# KiCad board CCC_ESC.kicad_pcb (continued)
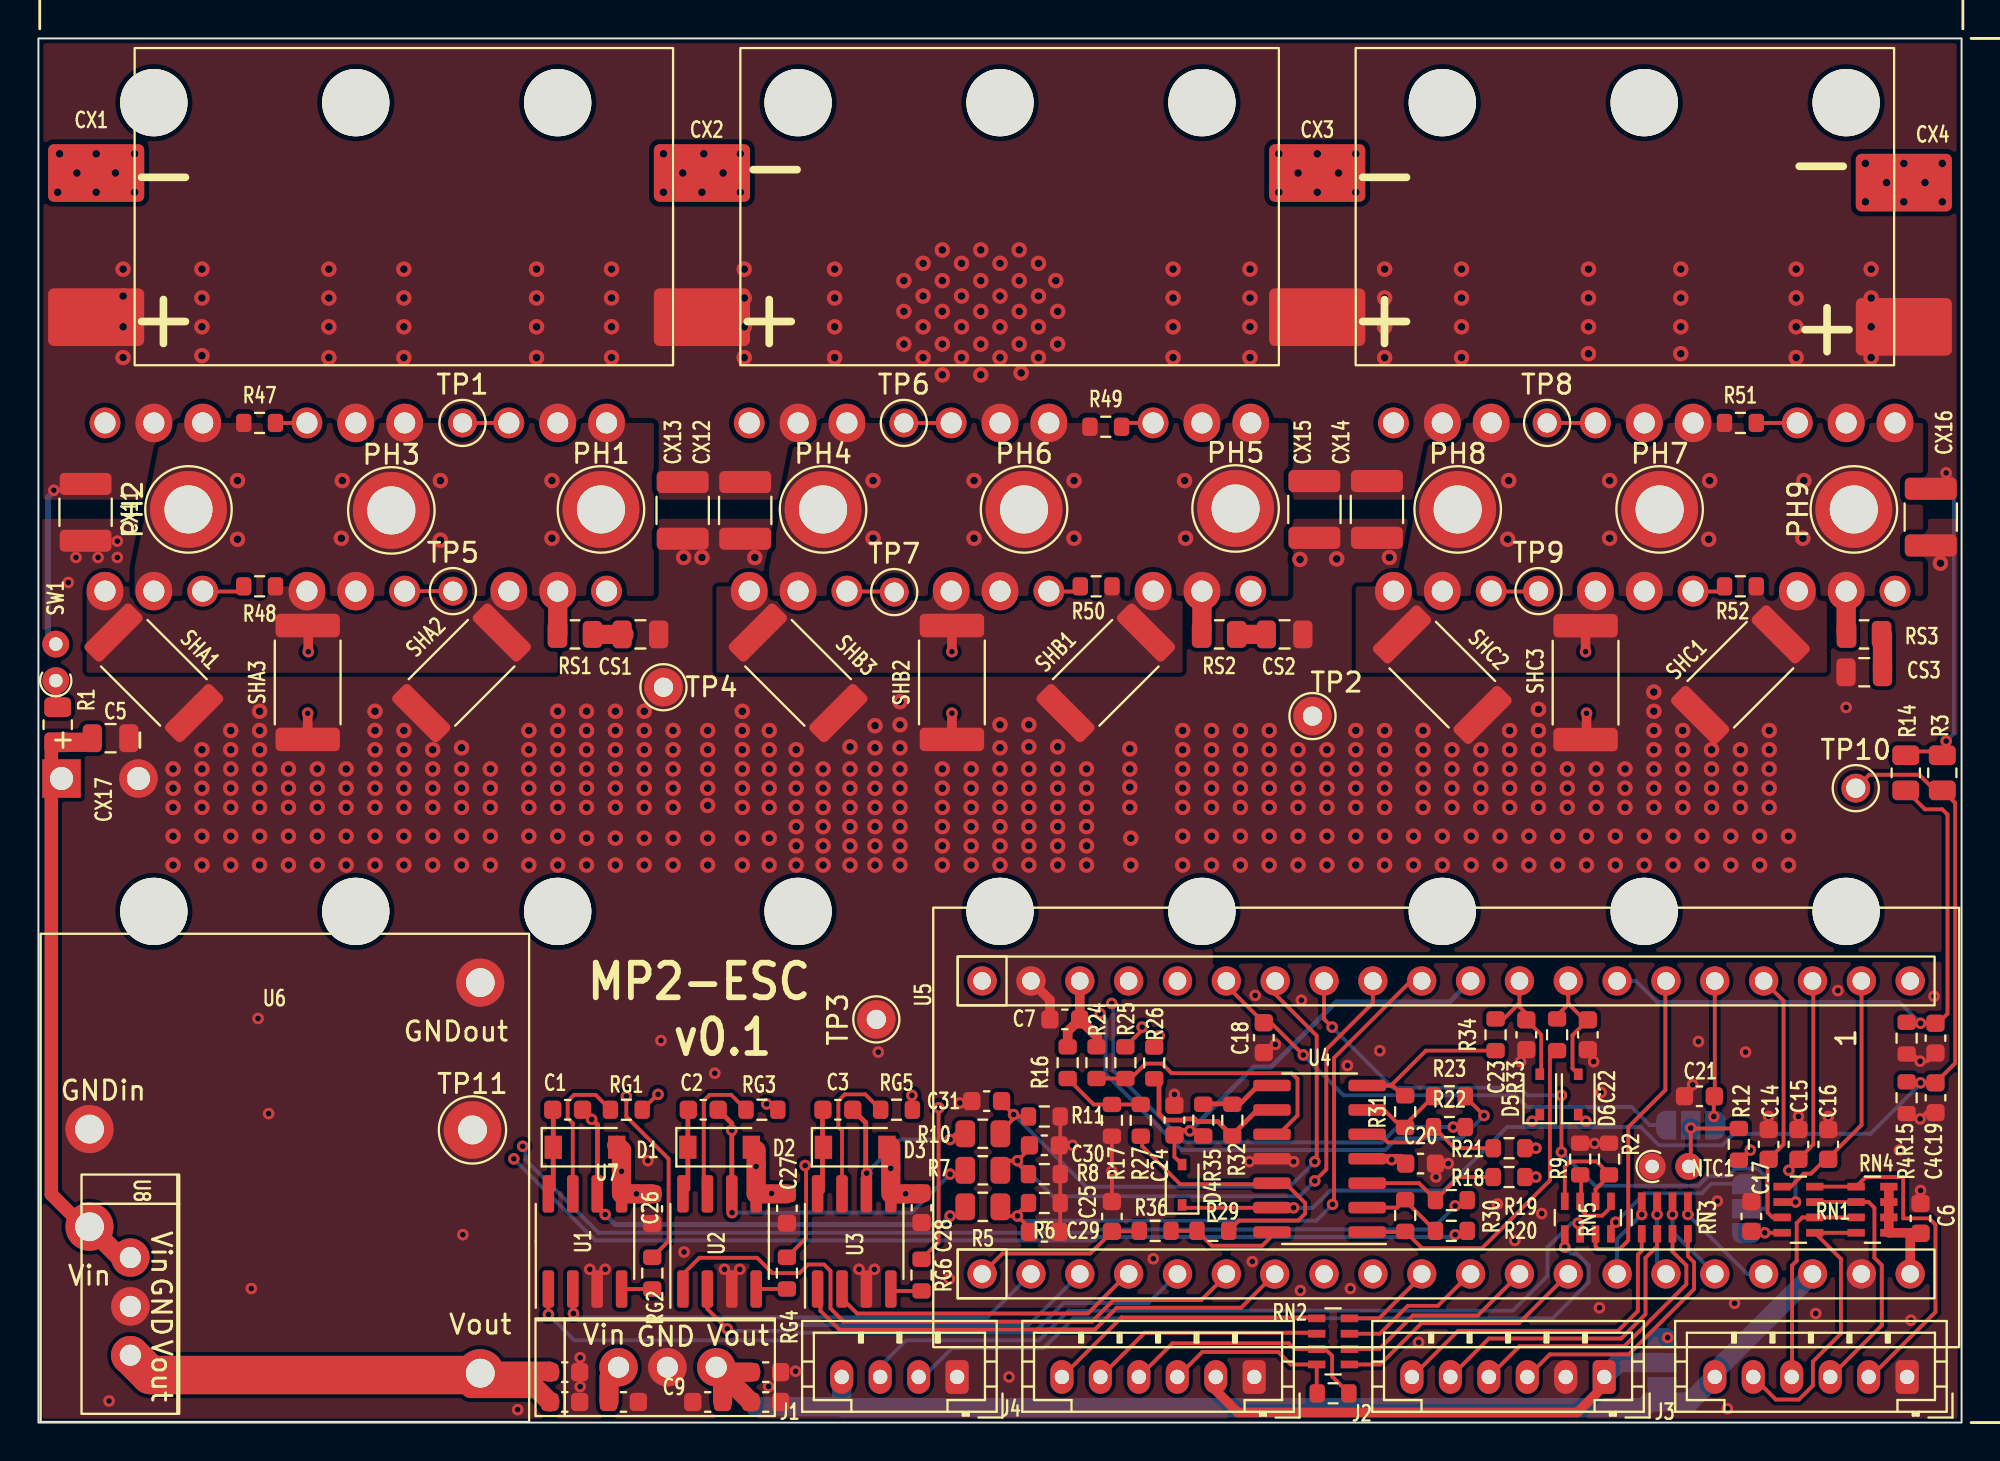
[diagram p0: board, top side]
## Nets
GND: C4.2 C5.2 C6.2 C7.2 C8.2 C9.2 C10.2 C11.2 C12.2 C13.2 C14.2 C15.2 C16.2 C17.2 C18.2 C19.2 C20.2 C21.2 C22.2 C23.2 C24.2 C25.2 C26.2 C27.2 C28.2 C29.2 C30.2 C31.2 CS1.1 CS2.1 CS3.1 CX1.2 CX2.2 CX3.2 CX4.2 CX11.2 CX12.2 CX13.2 CX14.2 CX15.2 CX16.2 CX17.2 J1.1 J2.2 J3.1 J4.1 NT2.1 NT4.1 NT6.1 NTC1.1 R2.2 R4.1 R6.1 R8.1 R9.1 R11.1 R15.1 R17.1 SHA1.1 SHA2.1 SHA3.1 SHB1.1 SHB2.1 SHB3.1 SHC1.1 SHC2.1 SHC3.1 TP2.1 TP3.1 TP4.1 TP11.1 U1.3 U2.3 U3.3 U4.11 U5.19 U5.39 U6.2 U6.3 U7.2 U8.2
V3V3: C6.1 C7.1 C20.1 JP1.3 R12.2 R16.2 R18.2 R21.2 R24.2 RN4.1 RN4.2 RN4.3 RN4.4 U4.4 U5.18 U5.40
V5V: C8.1 C9.1 C10.1 J1.4 J3.6 JP1.1 U5.38 U7.3
V12V: C11.1 C12.1 C13.1 C26.1 C27.1 C28.1 D1.2 D2.2 D3.2 U1.5 U2.5 U3.5 U6.4 U7.1 U8.3
VBAT: CX1.1 CX2.1 CX3.1 CX4.1 CX11.1 CX12.1 CX13.1 CX14.1 CX15.1 CX16.1 QA1.2 QA3.2 QA5.2 QB1.2 QB3.2 QB5.2 QC1.2 QC3.2 QC5.2 R3.2 R14.2 SW1.2
/AL_GATESIG: QA2.1 QA4.1 QA6.1 R48.2 RG2.1 TP5.1
/AU_GATESIG: QA1.1 QA3.1 QA5.1 R47.2 RG1.1 TP1.1
/BL_GATESIG: QB2.1 QB4.1 QB6.1 R50.2 RG4.1 TP7.1
/BU_GATESIG: QB1.1 QB3.1 QB5.1 R49.2 RG3.1 TP6.1
/CL_GATESIG: QC2.1 QC4.1 QC6.1 R52.2 RG6.1 TP9.1
/CU_GATESIG: QC1.1 QC3.1 QC5.1 R51.2 RG5.1 TP8.1
A_BRAKE: JP2.3 RN5.4
A_OVERLIMIT: C25.1 R36.2 U5.21
A_PHA_VSENSE: C29.1 R5.1 R6.2 U5.11
A_PHB_VSENSE: C30.1 R7.1 R8.2 U5.12
A_PHC_VSENSE: C31.1 R10.1 R11.2 U5.14
A_SHA_AMP: C22.1 D6.2 R33.2 U5.8
A_SHA_V+: NT1.2 R19.2
A_SHA_V-: NT2.2 R20.2
A_SHB_AMP: C23.1 D5.2 R34.2 U5.9
A_SHB_V+: NT3.2 R22.2
A_SHB_V-: NT4.2 R23.2
A_SHC_AMP: C24.1 D4.2 R35.2 U5.10
A_SHC_V+: NT5.2 R25.2
A_SHC_V-: NT6.2 R26.2
A_THROTTLE: RN5.3 U5.6
FET_TEMP: JP3.2 NTC1.2 R12.1
HALL_A: C16.1 RN1.1 U5.2
HALL_B: C15.1 RN1.2 U5.3
HALL_C: C14.1 RN1.3 U5.4
HIN_A: U1.1 U5.25
HIN_B: U2.1 U5.26
HIN_C: U3.1 U5.27
LIN_A: U1.2 U5.22
LIN_B: U2.2 U5.23
LIN_C: U3.2 U5.24
MOTOR_TEMP: C17.1 JP2.1 RN1.4
PA15 TIM2 CH1: J4.6 RN2.5
PB2 D_GPIO: U5.16
PB3 SCK TIM2CH2: J4.5 RN2.6
PB4 MISO TIM3 CH1: J4.4 R13.1 RN2.7
PB5 MOSI TIM3 CH2: J4.3 R13.2 RN2.8
PB6 D_UART1_TX I2C1_SCL TIM4_CH1: J2.6 RN3.5
PB7 D_UART1_RX I2C1_SDA TIM4_CH2: J2.5 RN3.6
PB8 DI2C1_SCL TIM4_CH3: J2.4 RN3.7
PB9 DI2C1_SDA TIM4_CH4: J2.3 RN3.8
PB10 D_GPIO: U5.17
PHASE_A: C1.2 PH1.1 PH2.1 PH3.1 QA1.3 QA2.2 QA3.3 QA4.2 QA5.3 QA6.2 R5.2 R47.1 RS1.2 U1.6
PHASE_B: C2.2 PH4.1 PH5.1 PH6.1 QB1.3 QB2.2 QB3.3 QB4.2 QB5.3 QB6.2 R7.2 R49.1 RS2.2 U2.6
PHASE_C: C3.2 PH7.1 PH8.1 PH9.1 QC1.3 QC2.2 QC3.3 QC4.2 QC5.3 QC6.2 R10.2 R51.1 RS3.2 U3.6
Vaux: J2.1 J4.2 JP1.2
VSENSE: C19.1 R14.1 R15.2 U5.7
VSENSE2: C4.1 D4.1 D5.1 D6.1 R3.1 R4.2 TP10.1 U4.13
Net-(C1-Pad1): C1.1 D1.1 U1.8
Net-(C2-Pad1): C2.1 D2.1 U2.8
Net-(C3-Pad1): C3.1 D3.1 U3.8
Net-(C5-Pad1): C5.1 CX17.1 R1.1 U6.1 U8.1
Net-(C18-Pad1): C18.1 JP3.3 U5.15
Net-(C21-Pad1): C21.1 JP3.1 U5.5
Net-(CS1-Pad2): CS1.2 RS1.1
Net-(CS2-Pad2): CS2.2 RS2.1
Net-(CS3-Pad2): CS3.2 RS3.1
Net-(J1-Pad2): J1.2 RN5.1
Net-(J1-Pad3): J1.3 RN5.2
Net-(J3-Pad2): J3.2 RN1.8 RN4.5
Net-(J3-Pad3): J3.3 RN1.7 RN4.6
Net-(J3-Pad4): J3.4 RN1.6 RN4.7
Net-(J3-Pad5): J3.5 RN1.5 RN4.8
Net-(JP2-Pad2): JP2.2 U5.13
Net-(NT1-Pad1): NT1.1 QA2.3 QA4.3 QA6.3 R48.1 SHA1.2 SHA2.2 SHA3.2
Net-(NT3-Pad1): NT3.1 QB2.3 QB4.3 QB6.3 R50.1 SHB1.2 SHB2.2 SHB3.2
Net-(NT5-Pad1): NT5.1 QC2.3 QC4.3 QC6.3 R52.1 SHC1.2 SHC2.2 SHC3.2
Net-(R1-Pad2): R1.2 SW1.1
Net-(R2-Pad1): R2.1 RN5.6 RN5.8
Net-(R9-Pad2): R9.2 RN5.5 RN5.7
Net-(R16-Pad1): R16.1 R17.2 R27.2
Net-(R18-Pad1): R18.1 R19.1 U4.3
Net-(R20-Pad1): R20.1 R30.1 U4.2
Net-(R21-Pad1): R21.1 R22.1 U4.5
Net-(R23-Pad1): R23.1 R31.1 U4.6
Net-(R24-Pad1): R24.1 R25.1 U4.10
Net-(R26-Pad1): R26.1 R32.1 U4.9
Net-(R27-Pad1): R27.1 R29.1 U4.12
Net-(R29-Pad2): R29.2 R36.1 U4.14
Net-(R30-Pad2): R30.2 R33.1 U4.1
Net-(R31-Pad2): R31.2 R34.1 U4.7
Net-(R32-Pad2): R32.2 R35.1 U4.8
Net-(RG1-Pad2): RG1.2 U1.7
Net-(RG2-Pad2): RG2.2 U1.4
Net-(RG3-Pad2): RG3.2 U2.7
Net-(RG4-Pad2): RG4.2 U2.4
Net-(RG5-Pad2): RG5.2 U3.7
Net-(RG6-Pad2): RG6.2 U3.4
Net-(RN2-Pad1): RN2.1 U5.33
Net-(RN2-Pad2): RN2.2 U5.32
Net-(RN2-Pad3): RN2.3 U5.31
Net-(RN2-Pad4): RN2.4 U5.30
Net-(RN3-Pad1): RN3.1 U5.37
Net-(RN3-Pad2): RN3.2 U5.36
Net-(RN3-Pad3): RN3.3 U5.35
Net-(RN3-Pad4): RN3.4 U5.34

Pads without a net: U5 1 20 28 29

## Via types
v1: diameter 0.6, hole 0.3, Top to Bottom, 147 vias
v2: diameter 0.8, hole 0.4, Top to Bottom, 529 vias

## Routing (per net, layer and track width the routed paths; a pad name or vN(x,y) marks a point on that pad's centre or on a via; arc(x,y) is an arc through that point)
GND: length 21.8
  Top w0.2: v1(62.97,13.57) 64.47,13.57 ; 53.28,13.07 R8.1 ; C4.2 98.17,16.12 v1(97.84,15.8) 97.42,15.8 R4.1 ; C19.2 98.22,18.8 v1(97.84,18.8) 97.47,19.17 R15.1 ; v1(29.47,7.97) 29.05,7.56 U1.3 ; 43.2,7 43.2,7.71 v1(43.47,7.97) ; v1(36.47,7.97) 36.05,7.56 U2.3 ; v1(86.02,17.57) 86.02,17.4 C21.2 ; R17.1 v1(55.82,13.07) C25.2 ; v1(59.07,17.07) 59.07,16.75 ; C29.2 53.18,10.02 ; R11.1 53.13,9.97
  Top w0.5: U5.19 52.59,21.99 C7.2
  vias: v1(1.55,43.7) v1(1.95,45) v1(3.1,45) v1(3.67,1.12) v1(4.1,45.85) v1(4.1,45) v1(11.07,6.97) v1(11.42,21.02) v1(11.97,16.07) v1(22.07,9.77) v1(24.92,0.67) v1(28.17,3.37) v1(28.17,1.87) v1(28.67,7.97) v1(31.69,13.62) v1(32.37,19.87) v1(33.57,8.87) v1(35.17,18.17) v1(35.67,7.97) v1(37.97,1.87) v1(39.37,2.67) v1(42.67,7.97) v1(43.67,19.27) v1(47.37,7.47) v1(47.91,16.62) v1(50.47,2.37) v1(53.77,14.42) v1(57.97,8.52) v1(63.12,8.37) v1(63.27,22.22) v1(64.32,19.67) v1(65.27,13.57) v1(65.62,6.87) v1(65.67,21.97) v1(68.07,18.57) v1(68.22,6.97) v1(69.75,19.34) v1(71.77,4.17) v1(72.67,12.77) v1(73.3,13.47) v1(75.87,11.37) v1(76.77,9.47) v1(77.07,18.77) v1(78.17,10.87) v1(80.87,18.77) v1(80.92,14.52) v1(81.17,5.97) v1(81.26,17.17) v1(86.32,19.82) v1(87.3,11.52) v1(87.82,0.72) v1(88.2,6.2) v1(88.77,19.27) v1(89.97,15.92) v1(91.52,15.92) v1(92.42,5.67) v1(93.07,15.92) v1(93.57,22.47) v1(94,37.2) v1(96.77,14.17) v1(97.37,5.32) v1(97.87,12.07) v1(98.57,22.17) v2(1,64) v2(1.1,66) v2(2,65) v2(3,66) v2(3,64) v2(4,65) v2(5,66) v2(5,64) v2(7,34) v2(7,33) v2(7,32) v2(7,30.5) v2(7,29) v2(8.5,35) v2(8.5,34) v2(8.5,33) v2(8.5,32) v2(8.5,30.5) v2(8.5,29) v2(10,36) v2(10,35) v2(10,34) v2(10,33) v2(10,32) v2(10,30.5) v2(10,29) v2(11.5,37) v2(11.5,36) v2(11.5,35) v2(11.5,34) v2(11.5,33) v2(11.5,32) v2(11.5,30.5) v2(11.5,29) v2(13,34) v2(13,33) v2(13,32) v2(13,30.5) v2(13,29) v2(14.5,34) v2(14.5,33) v2(14.5,32) v2(14.5,30.5) v2(14.5,29) v2(16,34) v2(16,33) v2(16,32) v2(16,30.5) v2(16,29) v2(17.5,37) v2(17.5,36) v2(17.5,35) v2(17.5,34) v2(17.5,33) v2(17.5,32) v2(17.5,30.5) v2(17.5,29) v2(19,36) v2(19,35) v2(19,34) v2(19,33) v2(19,32) v2(19,30.5) v2(19,29) v2(20.5,35) v2(20.5,34) v2(20.5,33) v2(20.5,32) v2(20.5,30.5) v2(20.5,29) v2(22,35.1) v2(22,34) v2(22,33) v2(22,32) v2(22,30.5) v2(22,29) v2(23.5,34) v2(23.5,33) v2(23.5,32) v2(23.5,30.5) v2(23.5,29) v2(25.5,36) v2(25.5,35) v2(25.5,34) v2(25.5,33) v2(25.5,32) v2(25.5,30.5) v2(25.5,29) v2(27,37) v2(27,36) v2(27,35) v2(27,34) v2(27,33) v2(27,32) v2(27,30.5) v2(27,29) v2(28.5,37) v2(28.5,36) v2(28.5,35) v2(28.5,34) v2(28.5,33) v2(28.5,32) v2(28.5,30.4) v2(28.5,29) v2(30,37) v2(30,36) v2(30,35) v2(30,34) v2(30,33) v2(30,32) v2(30,30.4) v2(30,29) v2(31.5,37) v2(31.5,36) v2(31.5,35) v2(31.5,34) v2(31.5,33) v2(31.5,32) v2(31.5,30.4) v2(31.5,29) v2(32.5,66) v2(32.5,64) v2(33,36) v2(33,35) v2(33,34) v2(33,33) v2(33,32) v2(33,30.4) v2(33,29) v2(33.5,65) v2(33.55,45) v2(34.5,64) v2(34.5,45) v2(34.6,66) v2(34.8,36) v2(34.8,35) v2(34.8,34) v2(34.8,33) v2(34.8,32.1) v2(34.8,30.4) v2(34.8,29) v2(35.6,65) v2(36.5,66) v2(36.5,64) v2(36.6,37) v2(36.6,36) v2(36.6,35) v2(36.6,34) v2(36.6,33) v2(36.6,32) v2(36.6,30.4) v2(36.6,29) v2(37.25,45) v2(38,36) v2(38,35) v2(38,34) v2(38,33) v2(38,32) v2(38,30.4) v2(38,29) v2(39.4,35) v2(39.4,34) v2(39.4,33) v2(39.4,32) v2(39.4,31) v2(39.4,30) v2(39.4,29) v2(40.8,34) v2(40.8,33) v2(40.8,32) v2(40.8,31) v2(40.8,30) v2(40.8,29) v2(42.2,35.15) v2(42.2,34) v2(42.2,33) v2(42.2,32) v2(42.2,31) v2(42.2,30) v2(42.2,29) v2(43.5,36.25) v2(43.5,35.1) v2(43.5,34) v2(43.5,33) v2(43.5,32) v2(43.5,31) v2(43.5,30) v2(43.5,29) v2(44.8,37.5) v2(44.8,36.3) v2(44.8,35.1) v2(44.8,34) v2(44.8,33) v2(44.8,32) v2(44.8,31) v2(44.8,30) v2(44.8,29) v2(47,34) v2(47,33) v2(47,32) v2(47,31) v2(47,30) v2(47,29) v2(48.5,34) v2(48.5,33) v2(48.5,32) v2(48.5,31) v2(48.5,30) v2(48.5,29) v2(50,36.3) v2(50,35.1) v2(50,34) v2(50,33) v2(50,32) v2(50,31) v2(50,30) v2(50,29) v2(51.5,36.3) v2(51.5,35.15) v2(51.5,34) v2(51.5,33) v2(51.5,32) v2(51.5,31) v2(51.5,30) v2(51.5,29) v2(53,35.15) v2(53,34) v2(53,33) v2(53,32) v2(53,31) v2(53,30) v2(53,29) v2(54.5,34) v2(54.5,33) v2(54.5,32) v2(54.5,31) v2(54.5,30) v2(54.5,29) v2(56.75,35.05) v2(56.75,34) v2(56.75,33.05) v2(56.75,32) v2(56.8,30.4) v2(56.8,29) v2(59.5,36) v2(59.5,35) v2(59.5,34) v2(59.5,33) v2(59.5,32) v2(59.5,30.5) v2(59.5,29) v2(61,36) v2(61,35) v2(61,34) v2(61,33) v2(61,32) v2(61,30.5) v2(61,29) v2(62.5,36) v2(62.5,35) v2(62.5,34) v2(62.5,33) v2(62.5,32) v2(62.5,30.5) v2(62.5,29) v2(64,36) v2(64,35) v2(64,34) v2(64,33) v2(64,32) v2(64,30.5) v2(64,29) v2(64.5,66) v2(64.5,64) v2(65.5,65) v2(65.5,35) v2(65.5,34) v2(65.5,33) v2(65.5,32) v2(65.5,30.5) v2(65.5,29) v2(65.6,44.9) v2(66.5,66) v2(66.5,64) v2(67,35) v2(67,34) v2(67,33) v2(67,32) v2(67,30.5) v2(67,29) v2(67.51,44.93) v2(67.6,65) v2(68.5,66) v2(68.5,64) v2(68.5,36) v2(68.5,35) v2(68.5,34) v2(68.5,33) v2(68.5,32) v2(68.5,30.5) v2(68.5,29) v2(70,36) v2(70,35) v2(70,34) v2(70,33) v2(70,32) v2(70,30.5) v2(70,29) v2(70.25,45) v2(71.5,30.5) v2(71.5,29) v2(72,36) v2(72,35) v2(72,34) v2(72,33) v2(72,32) v2(73,30.5) v2(73,29) v2(73.5,35) v2(73.5,34) v2(73.5,33) v2(73.5,32) v2(74.5,30.5) v2(74.5,29) v2(75,35) v2(75,34) v2(75,33) v2(75,32) v2(76,30.5) v2(76,29) v2(76.5,36) v2(76.5,35) v2(76.5,34) v2(76.5,33) v2(76.5,32) v2(77.5,30.5) v2(77.5,29) v2(78,37.1) v2(78,36) v2(78,35) v2(78,34) v2(78,33) v2(78,32) v2(79,30.5) v2(79,29) v2(79.5,34) v2(79.5,33) v2(79.5,32) v2(80.5,30.5) v2(80.5,29) v2(81,34) v2(81,33) v2(81,32) v2(82,30.5) v2(82,29) v2(82.5,34) v2(82.5,33) v2(82.5,32) v2(83.5,30.5) v2(83.5,29) v2(84,38) v2(84,37) v2(84,36) v2(84,35) v2(84,34) v2(84,33) v2(84,32) v2(85,30.5) v2(85,29) v2(85.5,36) v2(85.5,35) v2(85.5,34) v2(85.5,33) v2(85.5,32) v2(86.5,30.5) v2(86.5,29) v2(87,35) v2(87,34) v2(87,33) v2(87,32) v2(88,30.5) v2(88,29) v2(88.5,35) v2(88.5,34) v2(88.5,33) v2(88.5,32) v2(89.5,30.5) v2(89.5,29) v2(90,36) v2(90,35) v2(90,34) v2(90,33) v2(90,32) v2(91,30.5) v2(91,29) v2(95,65.5) v2(95,63.5) v2(96.1,64.5) v2(97,65.5) v2(97,63.5) v2(98.1,64.5) v2(98.9,44.7) v2(99,65.5) v2(99,63.5)
V3V3: length 14.3
  Top w0.2: 88.47,13.65 88.99,14.17 v1(89.02,14.17) ; 97.84,9.87 C6.1 ; 70.84,13.72 C20.1
  Top w0.5: R16.2 53.52,20.35 54.15,20.98 U5.18 ; 96.22,12.07 RN4.1 97.84,9.87 ; U4.4 70.84,13.72 ; 97.37,9.82 97.33,9.78 U5.40 ; 55.07,19.57 55.07,20.05 C7.1
  vias: v1(70.37,13.67) v1(77.87,14.27) v1(77.87,12.77) v1(84.72,4.42)
V5V: length 68.9
  Top w0.2: U7.3 35.58,2.55 ; U7.3 35.24,2.92 ; U7.3 35.26,2.88 35.27,2.87
  Top w1: C8.1 35.52,2.62 35.26,2.88 ; 35.58,2.55 35.58,1.1 ; C10.1 35.24,2.87 35.24,2.92
  Bottom w0.2: J3.6 87.17,2.65
  Bottom w1: 84.17,1.07 85.87,1.07 J3.6 ; 41.77,0.82 37.3,0.82 U7.3 ; 41.77,0.82 41.82,0.77 83.47,0.77 83.77,1.07 84.12,1.07 ; 41.77,0.82 J1.4 ; 87.17,2.65 U5.38
V12V: length 42.5
  Top w0.2: 22.93,2.52 U6.4 ; 45.87,11.9 C28.1 ; 22.89,2.19 22.89,2.35 ; 29.67,1.1 C12.1
  Top w0.25: 38.89,11.9 38.87,11.92 v1(38.12,11.92) ; 44.47,11.95 44.32,12.1 ; U1.5 30.32,11.9 30.32,11.92 ; U2.5 37.32,11.9 ; 37.32,14.17 37.07,14.42 ; 44.32,14.37 44.22,14.47
  Top w0.5: 30.12,2.82 29.67,2.37
  Top w1: U1.5 v1(31.09,11.9) C26.1 ; 22.47,1.77 25.89,1.77 C13.1 ; 37.32,14.17 v1(37.32,13.32) 37.32,11.9 ; 30.32,11.92 v1(30.32,13.07) 30.32,14.17 30.07,14.42 ; 22.89,2.35 23.21,2.67 26.54,2.67 C11.1 ; 44.32,12.1 v1(44.32,13.22) 44.32,14.37 ; U2.5 38.89,11.9 ; 45.87,11.9 v1(45.09,11.9) U3.5 ; 29.67,2.37 29.67,1.1
  Top w2: U8.3 5.81,2.47 22.88,2.47 22.93,2.52
VBAT: length 26.8
  Top w0.2: v1(0.8,48.5) 2.48,48.5 2.5,48.47 ; 97.1,34.91 99,34.91 99.2,35.11 v1(99.2,35.45)
  Bottom w0.2: v1(0.8,48.5) 0.8,48.45 ; v1(99.2,49.4) 99.6,49 99.6,35.85 v1(99.2,35.45)
  Bottom w0.3: 0.8,48.45 0.5,48.15 0.5,40.89 SW1.2
  vias: v2(4.4,60) v2(4.4,58.6) v2(4.4,57) v2(4.4,55.4) v2(8.5,60) v2(8.5,58.5) v2(8.5,57) v2(8.5,55.5) v2(15.1,60) v2(15.1,58.5) v2(15.1,57) v2(15.1,55.4) v2(19,60) v2(19,58.5) v2(19,57) v2(19,55.4) v2(25.9,60) v2(25.9,58.5) v2(25.9,57) v2(25.9,55.4) v2(29.8,60) v2(29.8,58.5) v2(29.8,57) v2(29.8,55.4) v2(36.7,60) v2(36.7,58.5) v2(36.7,57) v2(36.7,55.4) v2(41.4,60) v2(41.4,58.5) v2(41.4,57) v2(41.4,55.4) v2(45,59.4) v2(45,57.8) v2(45,56.1) v2(46,60.3) v2(46,58.6) v2(46,57) v2(46,55.4) v2(47,61) v2(47,59.4) v2(47,57.8) v2(47,56.1) v2(47,54.5) v2(48,60.3) v2(48,58.6) v2(48,57) v2(48,55.4) v2(49,61) v2(49,59.4) v2(49,57.8) v2(49,56.1) v2(49,54.5) v2(50,60.3) v2(50,58.6) v2(50,57) v2(50,55.4) v2(51,61) v2(51,59.4) v2(51,57.8) v2(51,56.1) v2(51.1,54.6) v2(52,60.3) v2(52,58.6) v2(52,57) v2(52,55.4) v2(52.9,59.4) v2(53,57.8) v2(53,56.1) v2(59,60) v2(59,58.5) v2(59,57) v2(59,55.4) v2(63,60) v2(63,58.5) v2(63,57) v2(63,55.4) v2(70,60) v2(70,58.5) v2(70,57) v2(70,55.4) v2(74,60) v2(74,58.5) v2(74,57) v2(74,55.4) v2(80.6,60) v2(80.6,58.5) v2(80.6,57) v2(80.6,55.6) v2(85.4,60) v2(85.4,58.5) v2(85.4,57) v2(85.4,55.6) v2(91.4,60) v2(91.4,58.5) v2(91.4,57) v2(91.4,55.4) v2(95.3,60) v2(95.3,58.5) v2(95.3,57) v2(95.3,55.4)
/AL_GATESIG: length 64.5
  Top w0.2: TP5.1 19.06,43.25 ; RG2.1 32.77,9.45 32.77,13.72 30.57,15.92 v1(30.57,16.97) ; 8.54,43.23 10.41,43.23 R48.2
  In2.Cu w0.2: v1(30.57,16.97) 30.8,17.2 30.8,41.97 29.54,43.23 28.19,41.88 20.39,41.88 19.04,43.23 17.69,41.88 9.89,41.88 8.54,43.23
/AU_GATESIG: length 72.7
  Top w0.2: RG1.1 32.19,17.07 v1(32.22,17.07) ; TP1.1 QA5.1 ; R47.2 14.46,52
  In2.Cu w0.2: v1(32.22,17.07) 32.22,17.07 32.22,17.66 34.1,19.54 34.1,36.8 34.5,37.2 34.5,43.05 32.85,44.7 32.85,48.4 31.25,50 26.46,50 QA5.1 22.56,50.1 15.86,50.1 QA3.1 12.06,50.1 5.36,50.1 QA1.1
/BL_GATESIG: length 64.5
  Top w0.2: R50.2 53.91,43.23 52.54,43.23 ; 42.04,43.23 44.47,43.23 TP7.1 ; RG4.1 39.91,9.59 39.91,13.33 v1(39.87,13.37)
  In2.Cu w0.2: 63.54,43.23 62.24,41.93 53.84,41.93 52.54,43.23 51.24,41.93 42.84,41.93 42.82,41.95 41.54,43.23 ; 42.11,43.23 41.5,42.62 41.5,27.61 41.67,27.44 41.67,16.62 39.87,14.82 v1(39.87,13.37)
/BU_GATESIG: length 66.5
  Top w0.2: 58.46,52 56.53,52 R49.2 ; TP6.1 QB3.1
  In2.Cu w0.2: v1(37.87,16.57) 37.87,16.85 35.5,19.22 35.5,37.8 35.1,38.2 35.1,44.37 35.4,44.67 35.4,50.94 36.46,52 QB5.1 38.86,50.1 45.56,50.1 QB3.1 49.41,50.05 56.01,50.05 QB1.1
/CL_GATESIG: length 90.7
  Top w0.2: 75.54,43.23 77.98,43.23 TP9.1 ; RG6.1 46.81,9.38 46.81,16.36 v1(46.82,16.37) ; 86.04,43.23 87.41,43.23 R52.2
  In2.Cu w0.2: 86.04,43.23 84.66,41.85 76.92,41.85 75.54,43.23 73.04,40.73 46.83,40.73 46.3,40.2 46.3,17.55 46.62,17.23 46.62,16.57 v1(46.82,16.37) ; 96.54,43.23 95.24,41.93 86.84,41.93 85.54,43.23
/CU_GATESIG: length 85.7
  Top w0.2: R51.2 QC5.1 ; TP8.1 QC3.1
  In2.Cu w0.2: v1(45.42,17.02) 45.5,17.1 45.5,40.56 46.47,41.53 65.13,41.53 68.25,44.65 68.25,50.8 69.45,52 69.46,52 69.46,51.99 70.45,51.99 QC1.1 70.59,52 72.49,50.1 79.06,50.1 QC3.1 82.86,50.1 89.56,50.1 QC5.1
A_BRAKE: length 8.3
  Top w0.2: v1(82.02,10.42) 81.77,10.17 RN5.4
  Bottom w0.2: v1(82.02,10.42) 83.52,11.92 86.48,11.92 86.98,12.42 88.82,12.42 JP2.3
A_OVERLIMIT: length 9.1
  Top w0.2: U5.21 50.13,8.79 54.69,8.79 55.84,9.95 ; R36.2 57.22,9.95 C25.1
A_PHA_VSENSE: length 33.8
  Top w0.2: v1(50.91,10.75) 51.53,10.12 C29.1 ; v1(50.91,10.75) 50.91,10.85 R6.2 ; v1(50.91,10.75) 50.49,10.75 50.02,11.22 ; v1(67.29,11.35) 67.37,11.42 67.37,18.97 71.37,22.97 U5.11
  Bottom w0.2: v1(50.91,10.75) 51.16,10.5 66.44,10.5 v1(67.29,11.35)
A_PHB_VSENSE: length 31.3
  Top w0.2: R8.2 50.91,13.5 v1(50.91,13.62) ; v1(50.91,13.62) 50.52,13.62 50.02,13.12 ; v1(50.91,13.62) 51.53,14.25 C30.1 ; v1(66.37,12.57) 66.97,13.17 66.97,19.41 69.39,21.83 U5.12
  Bottom w0.2: v1(50.91,13.62) 52.76,11.77 65.57,11.77 v1(66.37,12.57)
A_PHC_VSENSE: length 31
  Top w0.2: 50.08,16.65 v1(50.71,16.02) ; v1(50.71,16.02) 50.81,15.92 R11.2 ; v1(50.71,16.02) 50.71,15.81 50.02,15.12 ; v1(66.37,13.57) 66.47,13.67 66.47,20.12 64.31,22.28 U5.14
  Bottom w0.2: v1(50.71,16.02) 50.72,16.02 54.47,12.27 65.07,12.27 v1(66.37,13.57)
A_SHA_AMP: length 7
  Top w0.2: 79.55,21.75 78.97,21.17 R33.2 ; 79.55,21.75 79.59,21.75 80.39,20.95 C22.1 79.77,20.15 79.77,18.42 D6.2 ; 79.55,21.75 U5.8 ; 80.39,21.05 80.57,21.05
A_SHA_V+: length 84.6
  In2.Cu w0.2: v1(14.03,40.1) 15.43,38.7 20.62,38.7 24.8,34.52 24.8,24.43 25.18,24.05 v1(25.18,14.37)
  Bottom w0.2: v1(73.67,11.27) 72.44,10.05 54.93,10.05 54.76,9.87 29.12,9.87 25.32,13.67 25.32,14.24 v1(25.18,14.37)
A_SHA_V-: length 84.3
  In2.Cu w0.2: v1(24.72,13.72) 24.58,13.85 24.58,14.62 24.78,14.82 24.78,23.88 24.4,24.26 24.4,34.28 20.38,38.3 15.4,38.3 v1(14,36.9)
  Bottom w0.2: v1(73.67,9.77) 73.54,9.65 55.1,9.65 54.92,9.47 28.95,9.47 24.72,13.71 v1(24.72,13.72)
A_SHB_AMP: length 6.9
  Top w0.2: U5.9 77.01,21.63 77.37,21.27 C23.1 78.14,20.17 78.14,18.15 ; R34.2 76.19,21 77.01,21.81
A_SHB_V+: length 46.3
  In2.Cu w0.2: v1(55.81,21.8) 55.63,21.98 55.63,34.54 51.47,38.7 48.9,38.7 v1(47.5,40.1)
  Bottom w0.2: v1(55.81,21.8) 55.89,21.72 55.89,18.3 59.62,14.57 69.86,14.57 70.66,15.37 v1(73.57,15.37)
A_SHB_V-: length 49.8
  Top w0.2: R23.2 74.19,16.95 v1(75.17,15.97)
  In2.Cu w0.2: v1(55.21,21.27) 55.21,21.27 55.21,34.39 51.3,38.3 48.9,38.3 v1(47.5,36.9)
  Bottom w0.2: v1(75.17,15.97) 73.97,14.77 70.62,14.77 70.02,14.17 59.46,14.17 55.49,18.14 55.49,20.99 v1(55.21,21.27)
A_SHC_AMP: length 21.1
  Top w0.2: 59.07,15 59.07,13.82 D4.2
  Top w0.25: 59.07,15.2 59.84,15.2 v1(59.87,15.17) 60.54,15.17 60.57,15.15
  Bottom w0.25: U5.10 73.38,21.89 67.48,21.89 64.09,18.5 63.19,18.5 v1(59.87,15.17)
A_SHC_V+: length 41.3
  Top w0.2: v1(57.39,20.57) 57.39,20.42 R25.2
  In2.Cu w0.2: v1(57.39,20.57) 57.75,20.93 57.75,24.65 57.77,24.66 57.77,35.88 60.58,38.7 79.05,38.7 v1(80.45,40.1)
A_SHC_V-: length 40.3
  Top w0.2: v1(58.28,20.12) 58.28,19.78 58.02,19.52
  In2.Cu w0.2: v1(80.5,36.9) 79.1,38.3 60.75,38.3 58.17,35.72 58.17,20.23 v1(58.28,20.12)
A_THROTTLE: length 16.9
  Top w0.2: RN5.3 80.97,9.16 81.11,9.02 82.22,9.02 82.67,9.47 82.67,15.37 84.6,17.3 84.6,22.94 U5.6
FET_TEMP: length 4.6
  Top w0.2: 88.47,15.3 85.94,15.3 v1(85.92,15.32) 85.92,13.43 NTC1.2
HALL_A: length 12.9
  Top w0.2: 93.02,13.7 94.8,15.48 94.8,22.96 U5.2 ; RN1.1 91.12,12.27 91.8,12.95 92.17,12.95 92.92,13.7
HALL_B: length 11.4
  Top w0.2: U5.3 92.29,22.93 92.29,14.47 C15.1
  Bottom w0.2: v1(91.02,13.12) 91.37,12.77 v1(91.37,11.47)
HALL_C: length 13.7
  Top w0.2: U5.4 90.74,21.94 90.74,14.47 C14.1 ; RN1.3 90.17,10.67 89.92,10.92 89.92,13.6 90.02,13.7
HIN_A: length 35.7
  Top w0.2: 26.51,5.93 U1.1
  Bottom w0.2: U5.25 57.72,6.22 53.32,6.22 51.77,4.67 39.43,4.67 39.03,4.27 27.87,4.27 v1(26.52,5.62)
HIN_B: length 33.3
  Top w0.2: U2.1 33.51,7.72 34.37,8.57 37.37,8.57 38.17,7.77 39.57,7.77 40.02,8.22 40.85,8.22 41.18,7.89 41.18,5.94 41.87,5.25 54.78,5.25 55.9,6.37 60.47,6.37 61.77,7.67 U5.26
HIN_C: length 26.4
  Top w0.2: 40.66,7 40.66,5.81 41.63,4.85 54.94,4.85 56.07,5.97 62.54,5.97 U5.27
LIN_A: length 25.9
  Top w0.2: 27.78,5.86 U1.2
  Bottom w0.2: U5.22 49.35,5.47 28.02,5.47 v1(27.82,5.67)
LIN_B: length 22.1
  Top w0.2: v1(35.82,4.87) 34.78,5.91 U2.2
  Bottom w0.2: v1(35.82,4.87) 35.92,4.77 38.97,4.77 39.27,5.07 51.49,5.07 U5.23
LIN_C: length 16.6
  Top w0.2: 41.93,7 41.93,6.31 42.57,5.67 54.57,5.67 56.63,7.73 U5.24
MOTOR_TEMP: length 2.6
  Top w0.2: RN1.4 v1(89.77,9.87) 89.14,9.87 C17.1
  Bottom w0.2: JP2.1 88.87,9.87 v1(89.77,9.87)
PA15 TIM2 CH1: length 14.3
  Top w0.2: J4.6 56.32,5.47 66.22,5.47
PB3 SCK TIM2CH2: length 12.2
  Top w0.2: J4.5 57.52,4.67 66.22,4.67 66.37,4.52
PB4 MISO TIM3 CH1: length 13.4
  Top w0.2: R13.1 67.27,2.4 67.27,3.47 66.92,3.82 65.32,3.82 65.02,4.12 58.97,4.12 J4.4
PB5 MOSI TIM3 CH2: length 9.8
  Top w0.2: 66.47,1.25 66.47,3.02 65.12,3.02 64.47,3.67 60.52,3.67 J4.3
PB6 D_UART1_TX I2C1_SCL TIM4_CH1: length 17.3
  Top w0.2: RN3.5 83.37,8.94 83.17,8.74 83.17,5.8 82.14,4.77 73.82,4.77 J2.6
PB7 D_UART1_RX I2C1_SDA TIM4_CH2: length 15.9
  Top w0.2: RN3.6 84.17,9.17 83.57,8.57 83.57,5.64 82.3,4.37 75.42,4.37 J2.5
PB8 DI2C1_SCL TIM4_CH3: length 15.2
  Top w0.2: RN3.7 84.97,8.89 85.69,8.17 85.69,7.19 82.47,3.97 77.02,3.97 J2.4
PB9 DI2C1_SDA TIM4_CH4: length 13.6
  Top w0.2: RN3.8 85.77,8.66 86.09,8.34 86.09,6.94 82.69,3.55 78.59,3.55 J2.3
PHASE_A: length 67
  Top w0.25: v1(29.47,10.82) 29.05,11.24 U1.6 29.07,11.91 29.07,15.5 C1.2 ; v1(47.41,10.75) 47.57,10.75
  Top w1: 27,43.23 27,43.23 27,40.98
  In2.Cu w0.2: v1(28.77,15.77) 30.22,15.77 31.22,16.77 31.22,17.22 33.7,19.7 33.7,36.97 34.1,37.37 34.1,42.88 32.45,44.53 32.45,48.15 31.6,49 31,49 29.5,47.5
  Bottom w0.2: 29.5,47.5 PH1.1
  Bottom w0.25: v1(47.41,10.75) 46.96,10.3 29.99,10.3 v1(29.47,10.82)
  vias: v2(10.35,49) v2(10.35,45.95) v2(15.8,49) v2(15.75,46) v2(20.9,49) v2(20.9,45.9) v2(26.7,49) v2(26.7,46)
PHASE_B: length 64.9
  Top w0.2: 36.05,11.29 36.05,11.11 36.07,11.1 v1(36.07,10.92) ; v1(47.41,12.92) 47.99,12.92 R7.2
  Top w0.25: 36.05,11.11 v1(36.05,15.21) 36.05,15.56 C2.2
  Top w1: 60.5,43.23 60.5,41.19
  In2.Cu w0.2: 40,48.3 40,48.39 37.49,50.9 36.1,50.9 35.8,50.6 35.8,44.5 35.5,44.2 35.5,38.4 35.9,38 35.9,19.39 38.47,16.82 38.47,16.32 37.35,15.21 v1(36.05,15.21)
  Bottom w0.2: v1(47.41,12.92) 45.41,10.92 36.07,10.92 v1(36.07,10.92)
  vias: v2(43.4,49) v2(43.4,46) v2(48.65,49) v2(48.65,46) v2(53.85,49) v2(53.85,46) v2(59.6,49) v2(59.65,46)
PHASE_C: length 76
  Top w0.2: 43.2,11.95 43.2,12.84 v1(43.07,12.97) ; 48.19,15.12 47.81,15.12 v1(47.41,14.72)
  Top w0.25: 43.2,11.95 43.02,12.13 43.02,15.6 C3.2
  Top w1: 94,43.23 94,41.09
  In2.Cu w0.2: 72.95,49 72.95,49.07 71.12,50.9 69,50.9 69,50.9 68.65,50.55 68.65,44.45 65.33,41.13 46.63,41.13 45.9,40.4 45.9,17.39 46.22,17.07 46.22,15.91 v1(47.41,14.72)
  Bottom w0.2: v1(47.41,14.72) 44.82,14.72 v1(43.07,12.97)
  vias: v2(76.4,45.95) v2(76.45,49) v2(81.7,49) v2(81.7,46) v2(86.85,45.95) v2(86.9,49) v2(91.8,49) v2(91.75,46)
Vaux: length 25.7
  Top w0.2: 61.22,1.67 J4.2
  Top w0.5: 61.22,1.67 62.37,0.52 80.02,0.52 81.42,1.92 J2.1
  Bottom w1: J2.1 82.17,3.12 JP1.2
VSENSE: length 32.1
  Top w0.2: R15.2 97.19,20.77 v1(97.87,20.77) C19.1 98.77,20.77 99.27,21.27 99.27,31.63 99,31.9 98.1,31.9 97.11,32.89 R14.1
  Bottom w0.2: U5.7 83.07,22.97 84.17,21.87 96.77,21.87 v1(97.87,20.77)
VSENSE2: length 63.4
  Top w0.2: 99.6,32.3 99.01,32.89 R3.1 98.61,32.89 97.8,33.7 95.2,33.7 TP10.1 ; U4.13 64.13,11.17 59.62,11.17 D4.1 ; R4.2 97.19,17.67 v1(97.87,17.67) C4.1 99.67,18.7 99.67,32.23 99.61,32.29
  Bottom w0.2: v1(65.27,11.17) 65.27,11.17 66.27,11.17 67.17,12.07 73.07,12.07 76.37,15.37 83.32,15.37 84.27,14.42 87.55,14.42 88.15,15.02 95.27,15.02 97.64,17.39 97.64,17.44 v1(97.87,17.67)
  vias: v1(77.67,15.67) v1(80.47,15.67)
Net-(C1-Pad1): length 4.3
  Top w0.25: U1.8 26.77,12.15 26.77,16.05
Net-(C2-Pad1): length 4.3
  Top w0.25: 33.77,16.05 33.77,12.15 U2.8
Net-(C3-Pad1): length 4
  Top w0.25: 40.77,15.95 40.77,12.05 40.66,11.95
Net-(C5-Pad1): length 31.7
  Top w0.2: 2.59,35.39 C5.1 ; 4.82,8.57 4.63,8.38 ; 1,35.19 0.95,35.14
  Top w0.3: 0.95,35.14 0.9,35.09
  Top w0.5: 0.9,35.09 0.75,34.94
  Top w0.7: 2.57,9.97 0.67,11.87 0.67,35.06 R1.1
  Top w1: 4.82,8.57 4.27,8.57 U6.1 ; R1.1 2.59,35.39
Net-(C18-Pad1): length 26.1
  Top w0.2: v1(65.77,19.12) 64.09,20.8 C18.1 61.77,22.75 U5.15
  Bottom w0.2: JP3.3 83.78,15.47 82.83,16.42 77.41,16.42 76.81,17.02 67.87,17.02 v1(65.77,19.12)
Net-(C21-Pad1): length 7.1
  Top w0.2: v1(87.12,15.92) 87.12,16.95 C21.1 87.17,17 U5.5
Net-(CS1-Pad2): length 1.6
  Top w1: RS1.1 30.45,41
Net-(CS2-Pad2): length 1.5
  Top w1: RS2.1 CS2.2
Net-(CS3-Pad2): length 2
  Top w1: CS3.2 95.89,40.95 RS3.1
Net-(J1-Pad2): length 39.5
  Bottom w0.2: 80.27,8.52 80.61,8.18 80.61,7.29 78.74,5.42 53.82,5.42 52.27,3.87 47.52,3.87 46.04,2.4 46.04,2.37 J1.2 ; 80.31,8.47 79.99,8.79 79.7,8.79 v1(79.37,9.12)
Net-(J1-Pad3): length 40.8
  Bottom w0.2: J1.3 43.77,2.92 45.12,4.27 52.02,4.27 53.57,5.82 76.67,5.82 78.47,7.62 78.47,9.12 79.72,10.37 v1(80.06,10.37)
Net-(J3-Pad2): length 18.2
  Top w0.2: RN1.8 RN4.5 95.02,12.77 96.97,12.77 96.97,12.77 96.97,10.62 98.31,10.62 98.64,10.29 98.64,5.75 95.27,2.37 J3.2
Net-(J3-Pad3): length 13.3
  Top w0.2: J3.3 95.85,5.05 95.85,8.19 95.47,8.57 95.47,11.17 95.17,11.47 RN4.6 RN1.7
Net-(J3-Pad4): length 11.3
  Top w0.2: RN4.7 RN1.6 91.72,10.67 91.43,10.38 91.43,8.41 91.19,8.17 91.19,2.39 J3.4
Net-(J3-Pad5): length 15.2
  Top w0.2: J3.5 90.34,1.2 91.54,1.2 92.27,1.93 92.27,3.17 93.73,4.63 93.73,8.51 RN1.5 RN4.8
Net-(JP2-Pad2): length 33.5
  Top w0.2: U5.13 66.85,20.99 v1(67.27,20.57) ; v1(79.19,14.07) v1(79.19,17.02)
  Bottom w0.2: 87.42,12.82 87.84,12.82 88.24,13.22 89.4,13.22 89.87,12.75 89.87,11.22 89.77,11.12 JP2.2 ; v1(67.27,20.57) 70.42,17.42 77.02,17.42 77.42,17.02 v1(79.19,17.02) ; 87.42,12.82 86.82,12.82 86.32,12.32 80.94,12.32 v1(79.19,14.07)
Net-(R1-Pad2): length 1.4
  Top w0.2: 0.9,37.31 R1.2
  Top w0.5: SW1.1 0.9,37.31
Net-(R2-Pad1): length 6.2
  Top w0.2: RN5.8 79.37,13.31 79.64,13.58 81.02,13.58 81.72,12.88 80.97,12.13 RN5.6
Net-(R9-Pad2): length 3.7
  Top w0.2: 80.22,12.88 80.22,11.56 80.17,11.51 80.17,11.11 80.52,10.76 81.32,10.76 81.77,11.21
Net-(R16-Pad1): length 4.4
  Top w0.2: 57.37,16.55 R17.2 54.87,16.55 R16.1
Net-(R18-Pad1): length 7.4
  Top w0.2: R18.1 73.84,12.77 R19.1 72.64,11.6 71.79,12.45 U4.3
Net-(R20-Pad1): length 4.4
  Top w0.2: U4.2 70.65,11.18 R30.1 71.07,11.55 R20.1
Net-(R21-Pad1): length 7.5
  Top w0.2: U4.5 69.75,14.99 70.17,14.57 71.74,14.57 R22.1 73.64,14.27 R21.1
Net-(R23-Pad1): length 4.5
  Top w0.2: U4.6 69.98,16.26 70.59,15.65 71.07,15.65 ; R31.1 71.07,15.5 R23.1
Net-(R24-Pad1): length 14.6
  Top w0.2: 55.17,17.9 56.74,17.9 56.77,17.87 57.57,18.67 58.42,18.67 58.92,18.17 65.17,18.17 65.47,17.87 65.47,15.98 64.48,14.99 U4.10
Net-(R26-Pad1): length 8.5
  Top w0.25: 63.84,16.26 63.38,16.26 62.05,14.93 61.33,15.66 60.26,15.66 60.13,15.8 59.61,15.8 59.55,15.73 58.59,15.73 58.27,16.05 58.27,17.87
Net-(R27-Pad1): length 15
  Top w0.2: 57.39,14.95 57.39,14.37 59.37,12.4 63.9,12.4 63.95,12.35 ; U4.12 64.84,12.45 65.87,11.42 65.87,10.87 65.51,10.51 62.43,10.51 R29.1
Net-(R29-Pad2): length 5.7
  Top w0.2: R36.1 R29.2 61.02,9.2 63.63,9.2 64.09,9.66
Net-(R30-Pad2): length 18.2
  Top w0.2: U4.1 71.03,9.91 R30.2 71.94,9.07 75.07,9.07 78.59,12.6 78.59,18.97 R33.1
Net-(R31-Pad2): length 9.5
  Top w0.2: R34.1 72.15,19.35 70.33,17.53 U4.7 70.41,17.53 70.64,17.3 71.07,17.3
Net-(R32-Pad2): length 4
  Top w0.25: U4.8 63.43,17.53 62.49,16.6 62.07,16.6 62.05,16.58 60.59,16.58
Net-(RG1-Pad2): length 7.6
  Top w0.2: RG1.2 28.97,17.05 27.85,17.05 27.52,16.71 27.52,15.83 27.78,15.56 U1.7
Net-(RG2-Pad2): length 1.6
  Top w0.2: U1.4 RG2.2
Net-(RG3-Pad2): length 7.6
  Top w0.2: RG3.2 36.02,17.05 34.9,17.05 34.59,16.74 34.59,12.09 U2.7
Net-(RG4-Pad2): length 1.6
  Top w0.2: U2.4 RG4.2
Net-(RG5-Pad2): length 7.6
  Top w0.2: U3.7 41.78,15.19 41.59,15.38 41.59,16.74 41.93,17.07 42.99,17.07 RG5.2
Net-(RG6-Pad2): length 1.6
  Top w0.2: U3.4 44.42,6.85 RG6.2
Net-(RN2-Pad1): length 13.1
  Top w0.2: 68.37,3.02 69.77,3.02 71.92,5.17 76.99,5.17 U5.33
Net-(RN2-Pad2): length 10.3
  Top w0.2: U5.32 74.85,5.57 71.47,5.57 69.72,3.82 68.37,3.82
Net-(RN2-Pad3): length 7.4
  Top w0.2: U5.31 74.43,7.73 72.77,6.07 71.2,6.07 69.75,4.62 68.37,4.62
Net-(RN2-Pad4): length 4.6
  Top w0.2: U5.30 71.93,7.63 69.72,5.42 68.37,5.42
Net-(RN3-Pad1): length 5.2
  Bottom w0.2: v1(85.77,10.82) 88.86,7.73 U5.37
Net-(RN3-Pad2): length 4
  Bottom w0.2: U5.36 84.97,9.93 v1(84.97,10.82)
Net-(RN3-Pad3): length 3.3
  Bottom w0.2: U5.35 84.17,8.19 v1(84.17,10.82)
Net-(RN3-Pad4): length 3.6
  Bottom w0.2: U5.34 82.09,9.54 v1(83.37,10.82)

## Copper pours and planes (outline as drawn; the poured copper is in the pictures)
GND on Top, Bottom: 100.07,24.47 61.07,24.47 61.07,23.87 100.07,23.97 100,0 20.57,-0.1 0,0 0.07,47.01 100.07,47.01
GND on In1.Cu: 100,-0.02 0,-0.02 0,72 100,72
GND on In2.Cu: 100.07,24.47 47.07,24.47 47.07,16.87 25.72,16.87 20.57,3.47 20.57,-0.03 0.07,-0.03 0,72 100,72
V3V3 on In2.Cu: 100,0 43.07,-0.03 43.57,3.42 47.57,5.97 47.57,23.97 100.07,23.97
V12V on In2.Cu: 47.07,6.12 43.07,3.82 42.52,-0.03 21.07,-0.03 21.07,3.47 26.07,16.47 47.07,16.47
VBAT on Top, Bottom: 100,48 0,48 0,72 100,72
PHASE_A on Top, Bottom: 32,43 5,43 5,44.5 6.5,52 32,52
PHASE_B on Top, Bottom: 65,43 38,43 38,44.5 39.5,52 65,52
PHASE_C on Top, Bottom: 98,43 71,43 71,44.5 72.5,52 98,52
Net-(NT1-Pad1) on Top: 27,39 2.5,39 2.5,43.5 27,43.5
Net-(NT3-Pad1) on Top: 59.5,39 35.25,39 35.25,43.5 59.5,43.5
Net-(NT5-Pad1) on Top: 93,39 68.5,39 68.5,43.5 93,43.5

## Text on the board
F.Silkscreen: MP2-ESC / v0.1
